# Altium PCB nPOC-BB_alpha_main-boardd.PcbDoc (part 1 of 3)
Units mm, origin at the board's own origin, x right, y up, seen from the top; angles counter-clockwise.
Board outline 65.15 x 78.1 mm, 4 copper layers (Top Layer, Layer 2, Layer 3, Bottom Layer), stack 1.527 mm thick; 195 components, 126 nets, 767 pads, 537 vias.
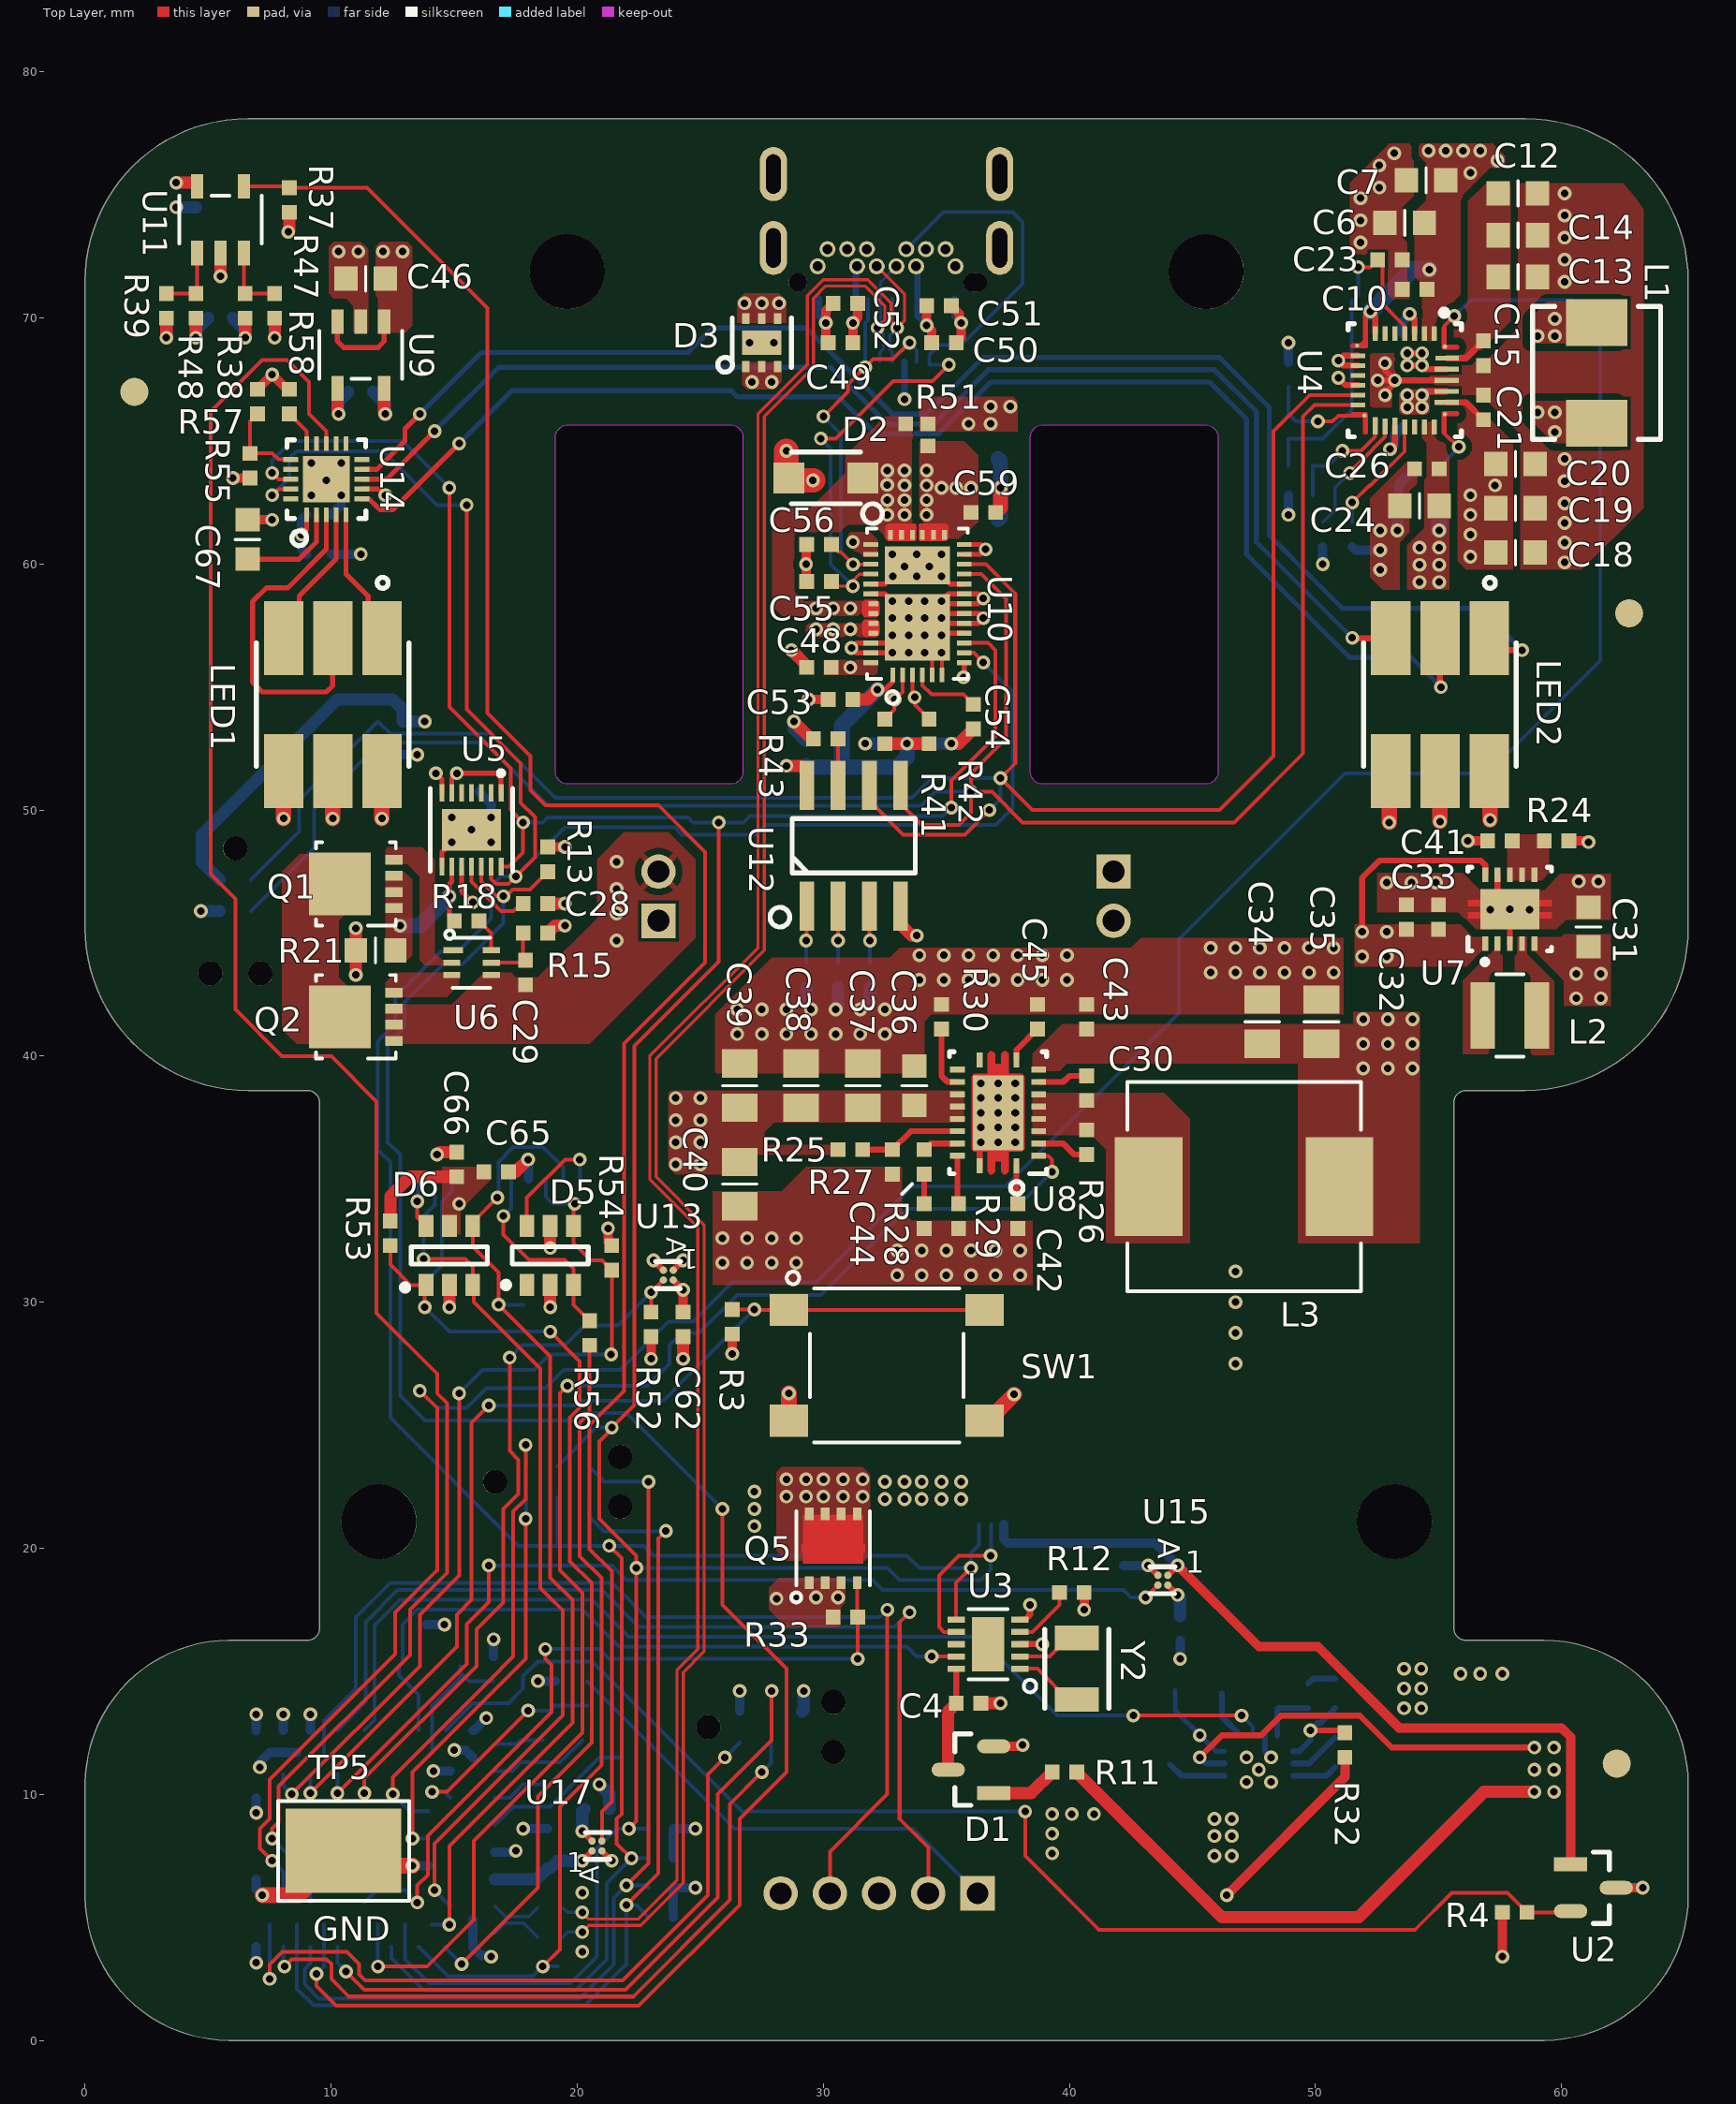
[diagram p0: Top Layer view]
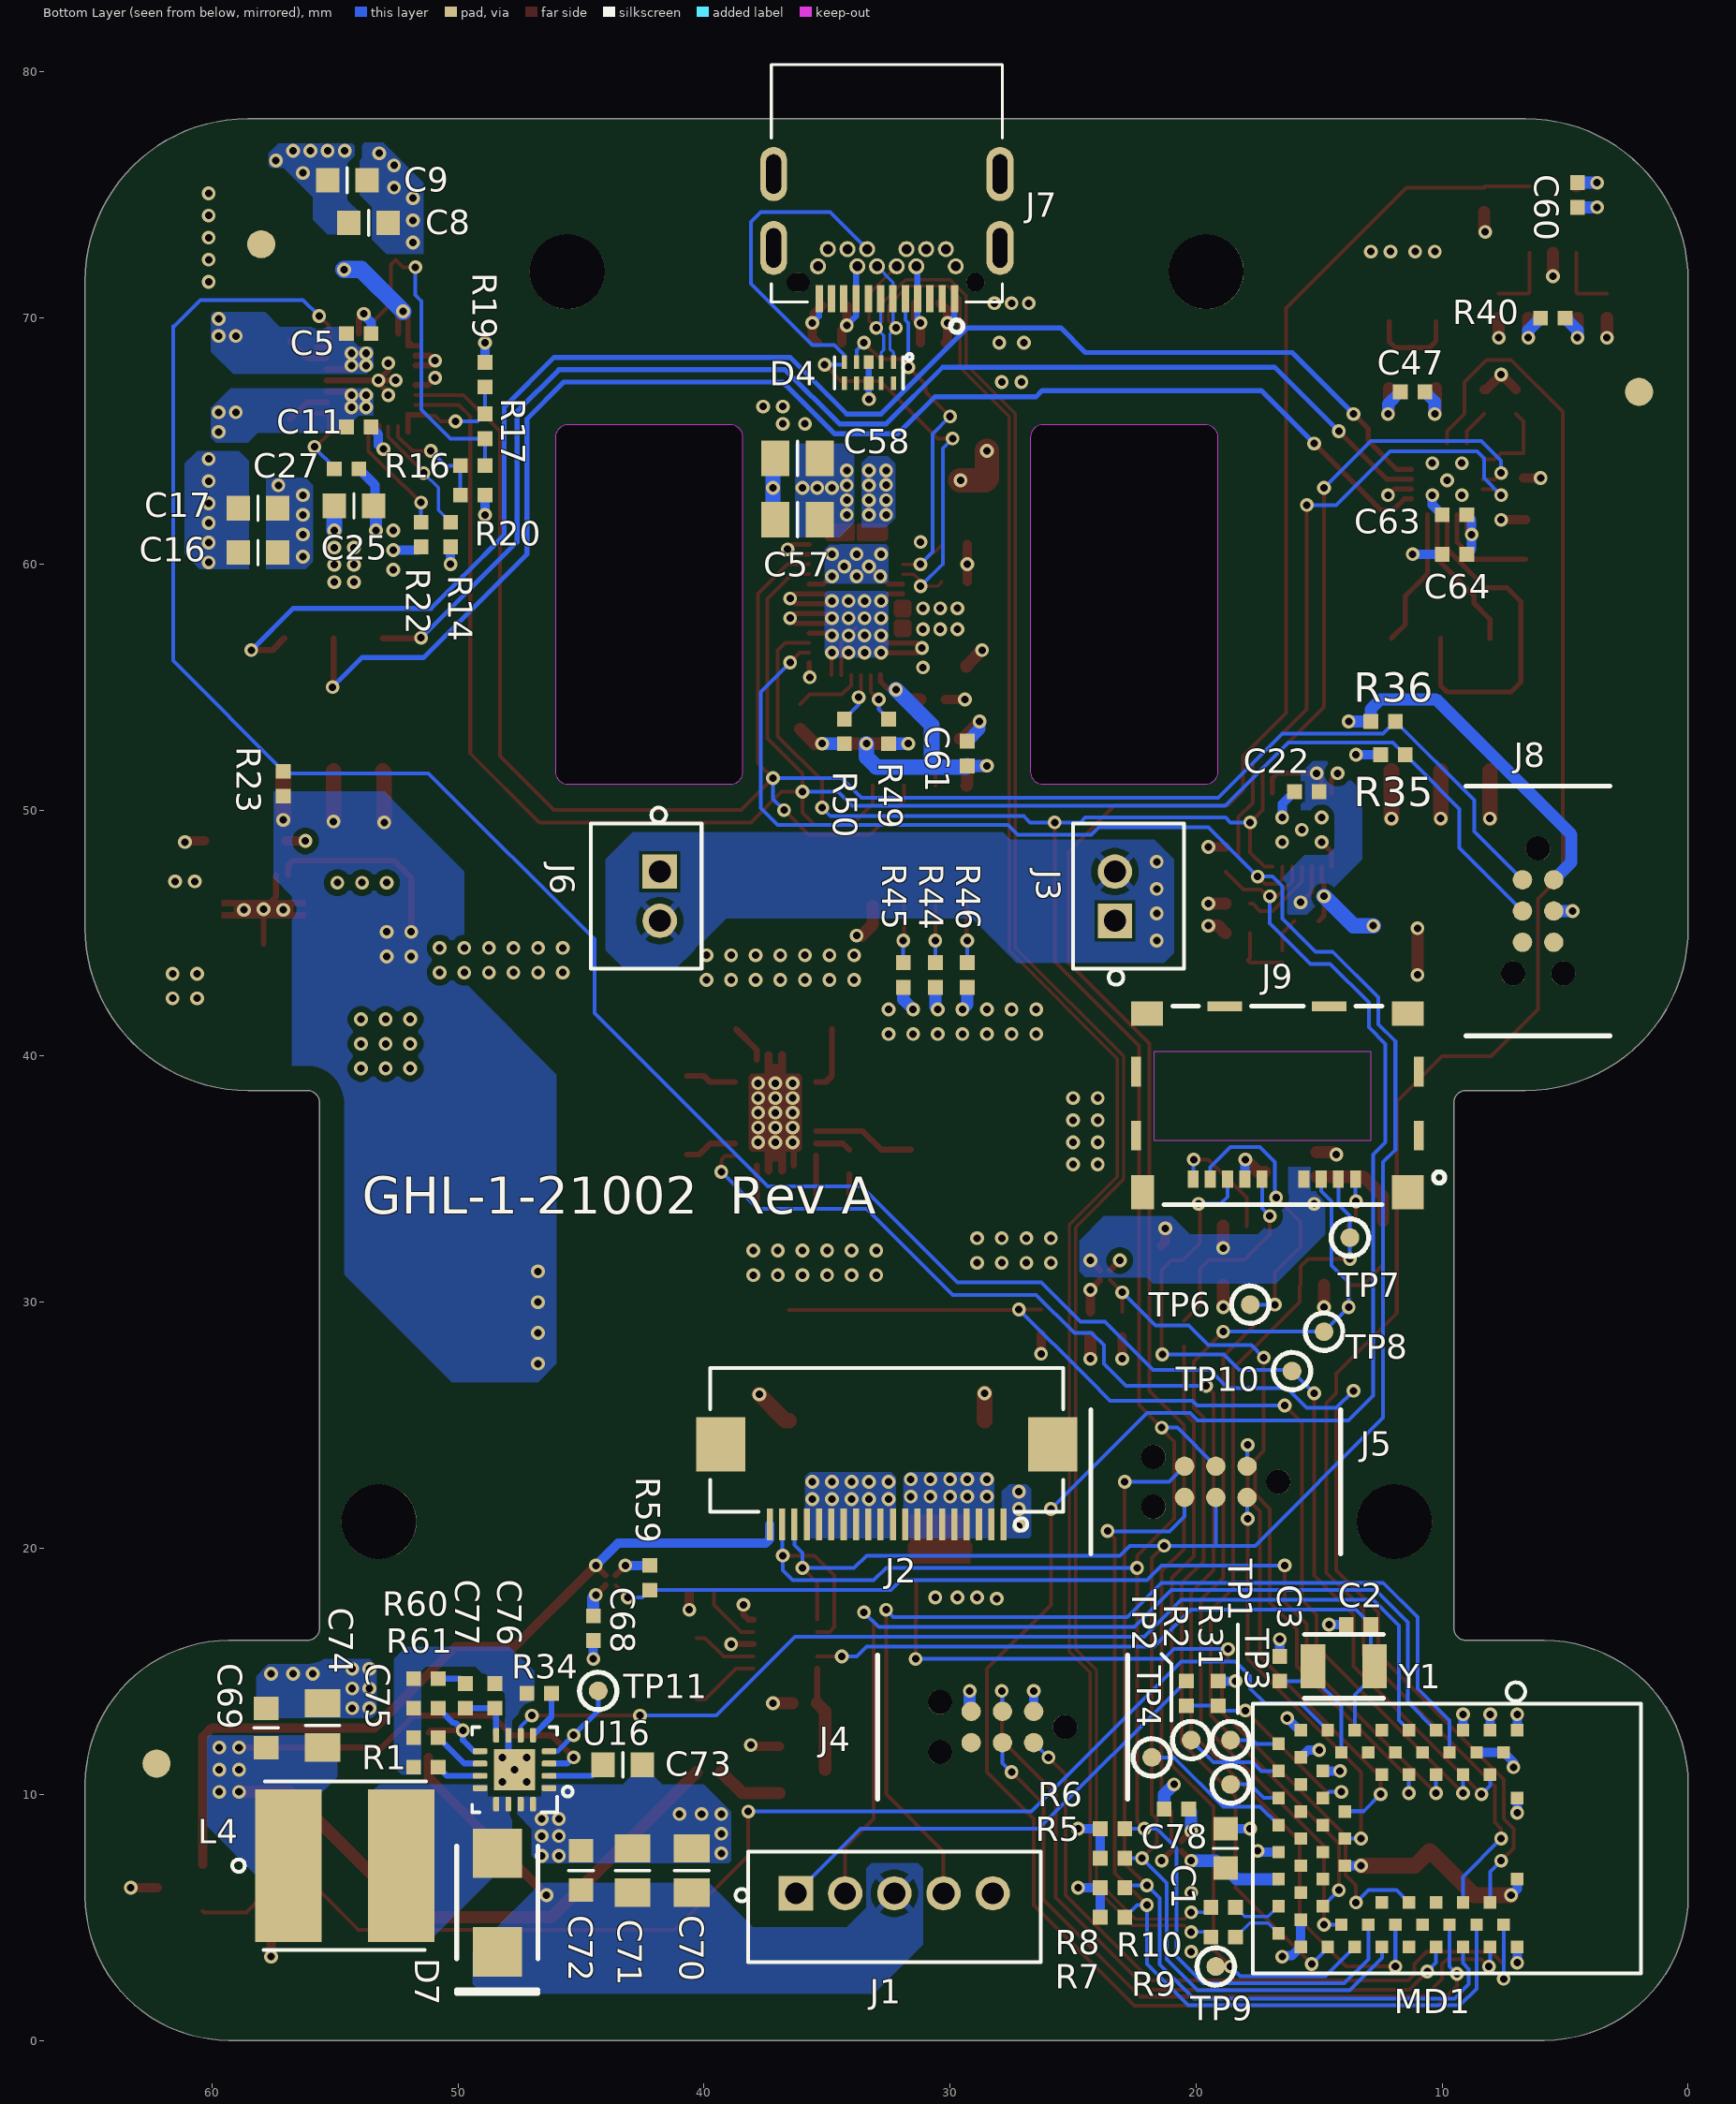
[diagram p1: Bottom Layer view, seen from below]
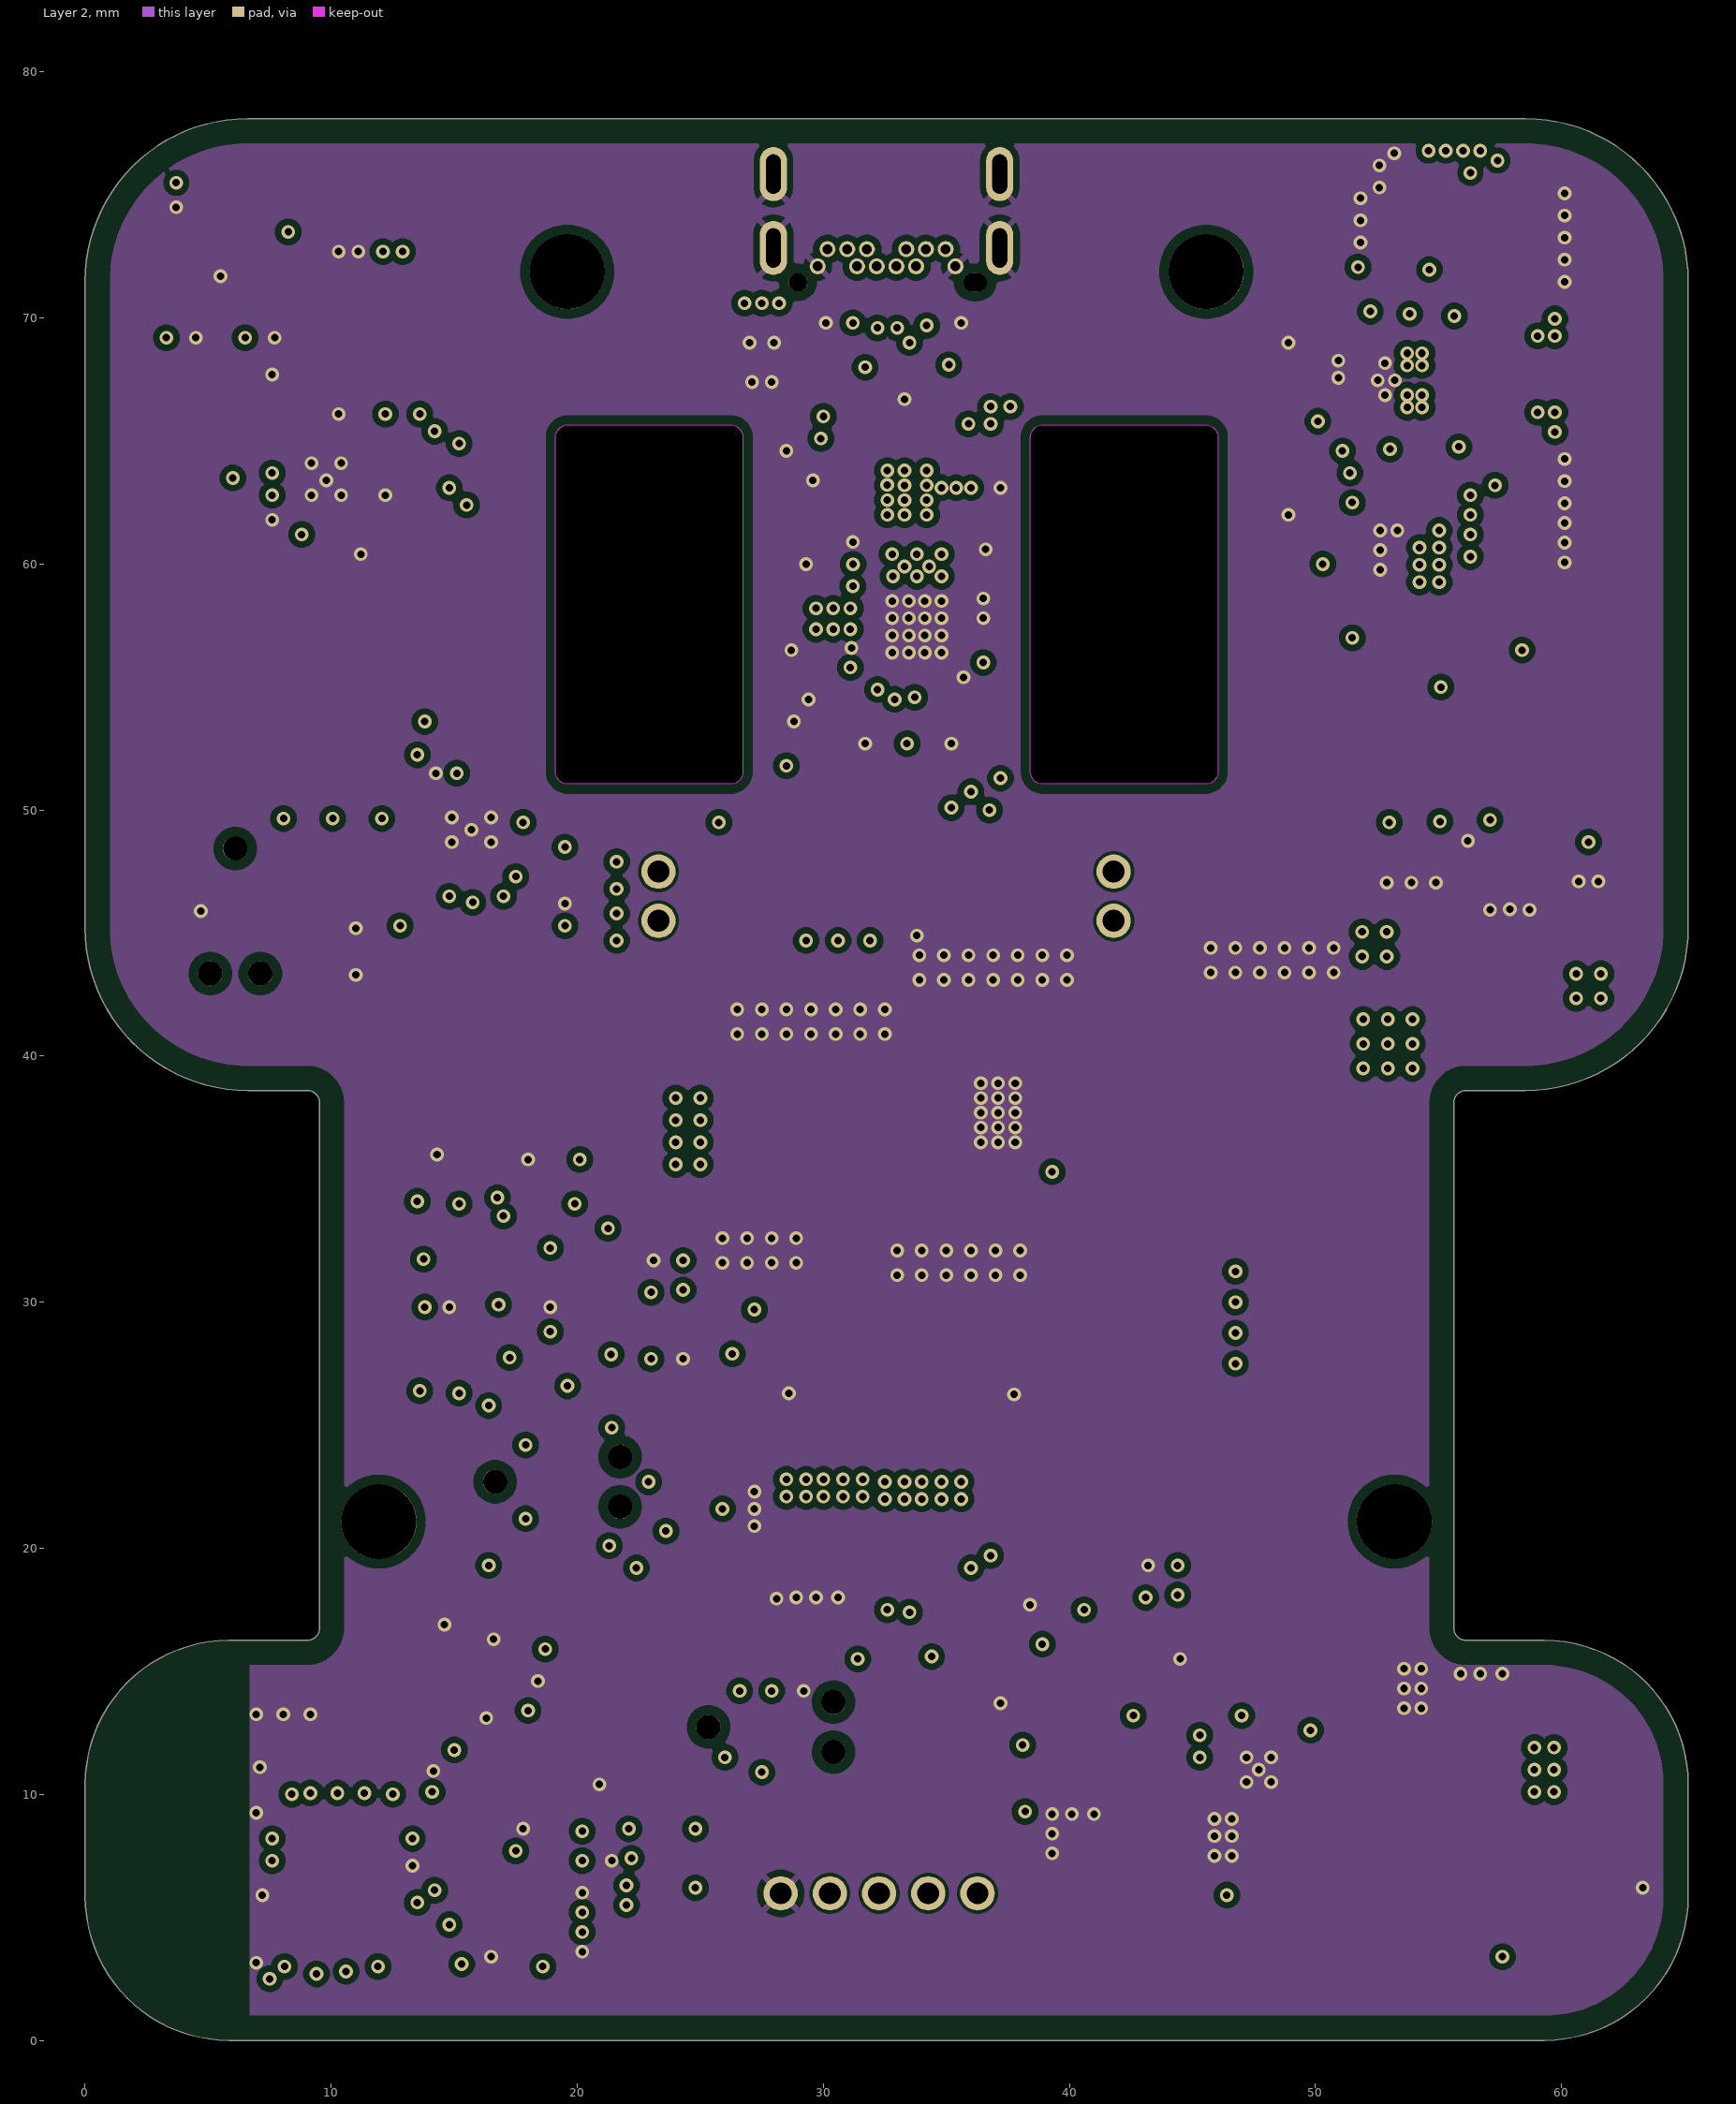
[diagram p2: Layer 2]